# Altium PCB LimeSDR-QPCIe_1v2.PcbDoc (part 7 of 21)
Units mm, origin at the board's own origin, x right, y up, seen from the top; angles counter-clockwise.
Board outline 190 x 111.15 mm, 14 copper layers (Top, L2, L3, L4, L5, L6, L7, L8, L9, L10, L11, L12, L13, Bottom), stack 1.907 mm thick; 2014 components, 1408 nets, 9111 pads, 4171 vias.
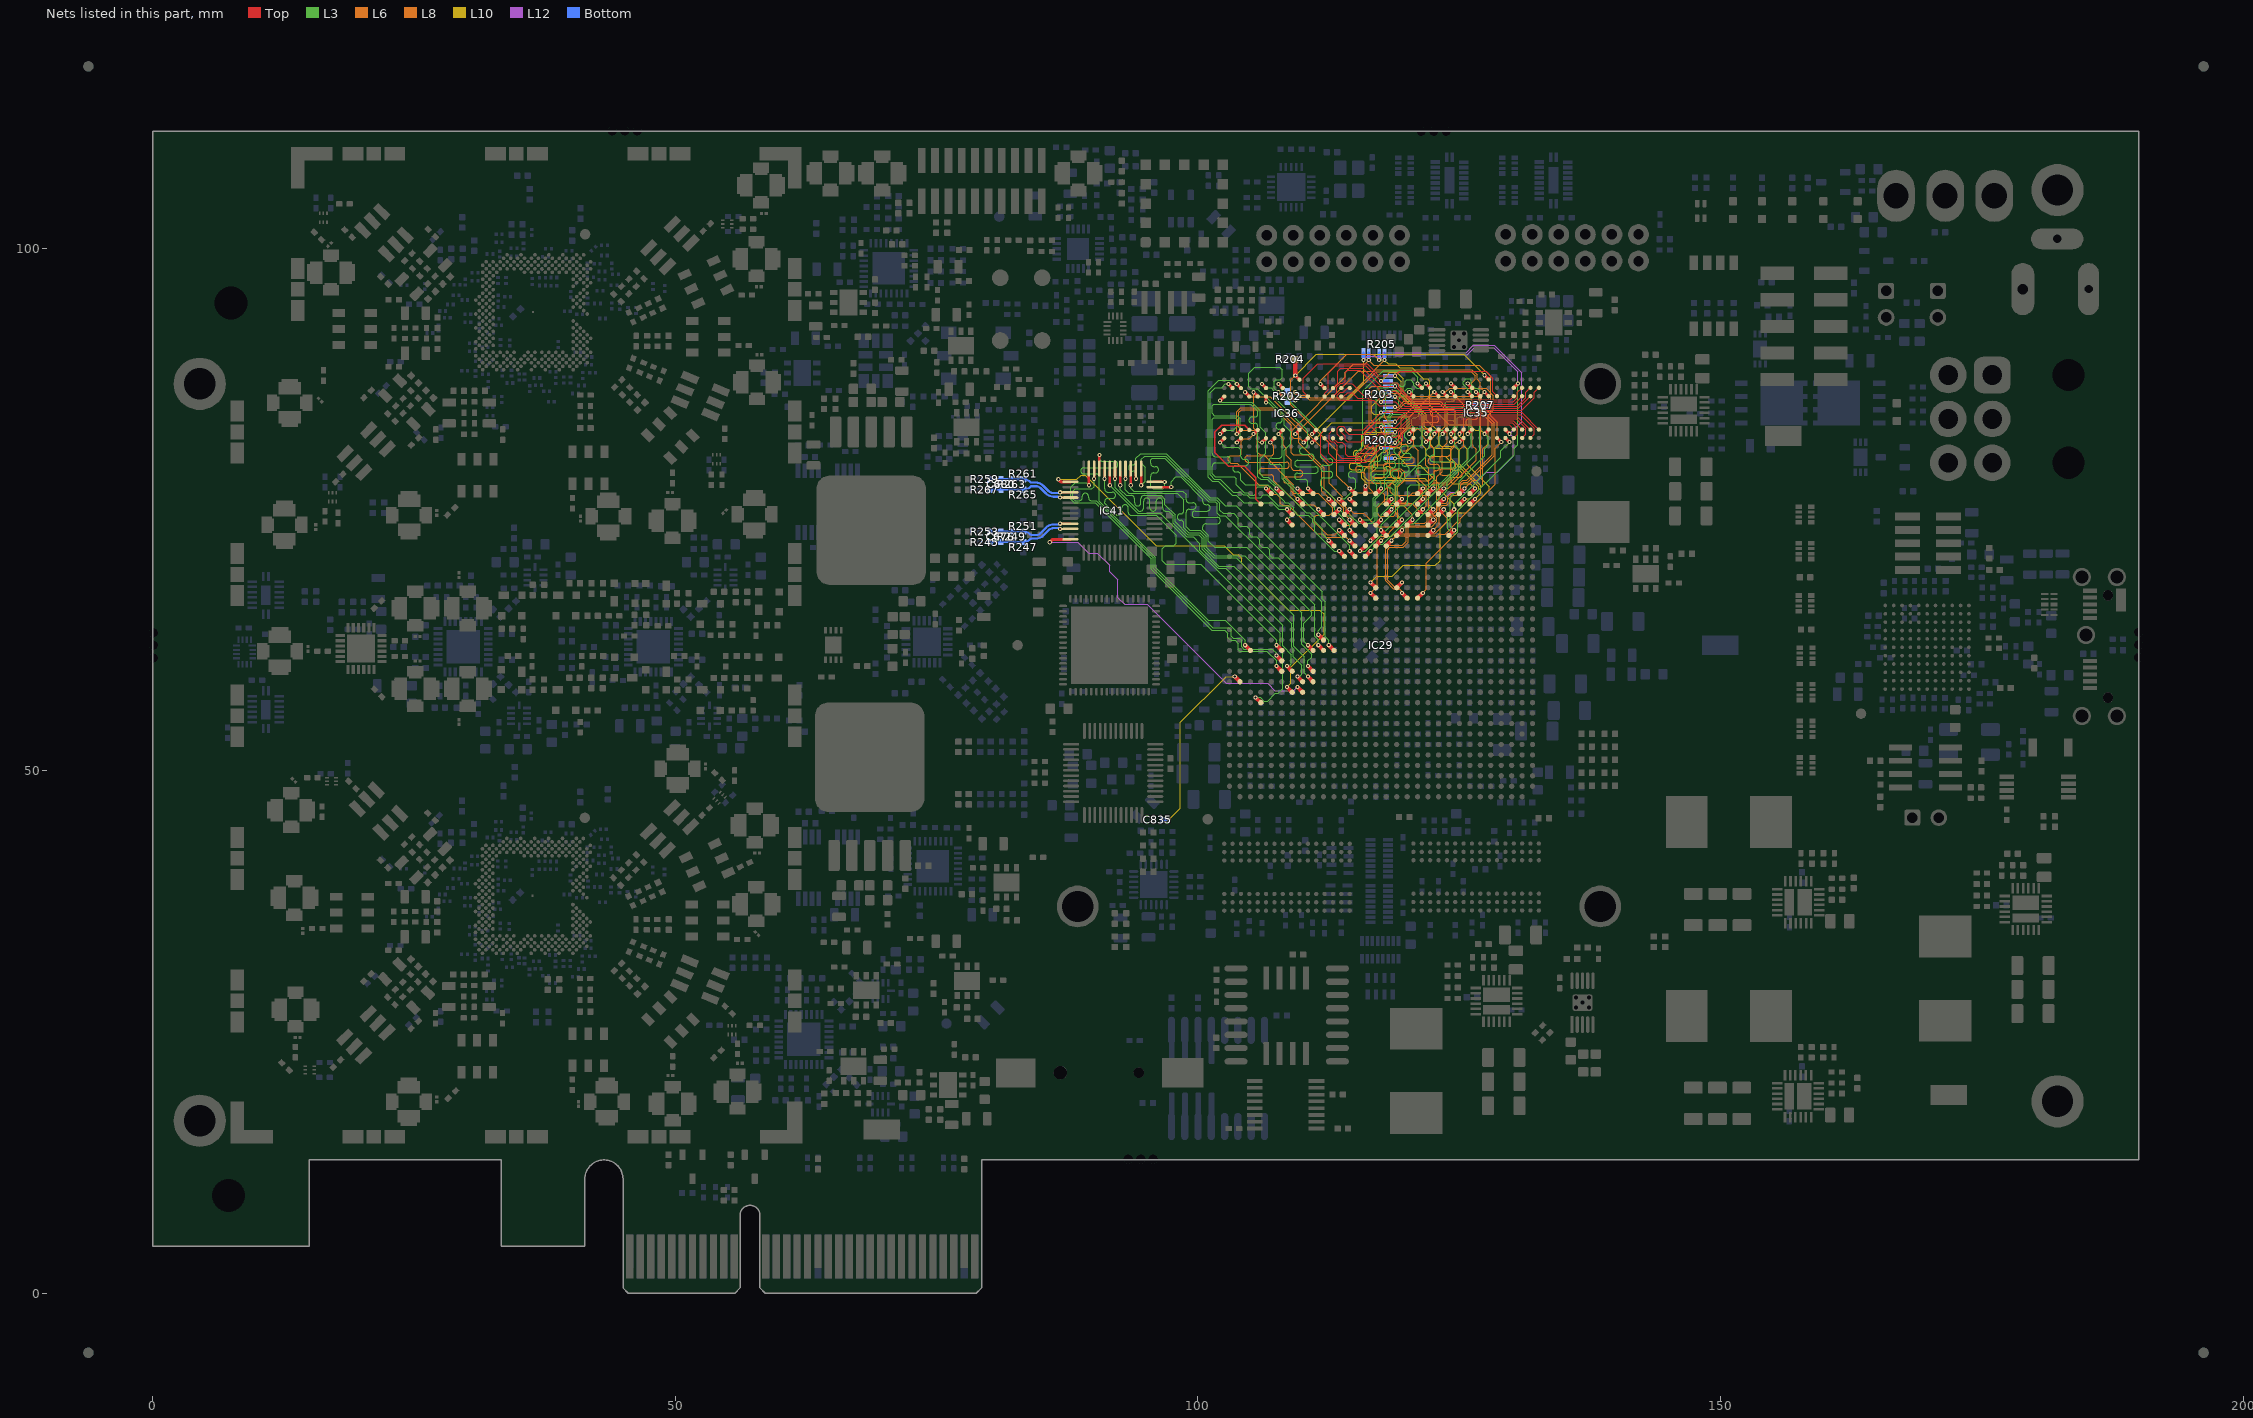
[diagram p19: the nets of this part, all layers, seen from the top]

## Via types
v1: diameter 0.4, hole 0.2, Top to Bottom, tented both sides, 3282 vias
v2: diameter 0.4, hole 0.2, Top to Bottom, tented top, 531 vias
v3: diameter 0.35, hole 0.2, Top to Bottom, tented top, 210 vias
v4: diameter 0.5, hole 0.2, Top to Bottom, tented both sides, 99 vias
v5: diameter 0.5, hole 0.2, Top to Bottom, tented bottom, 49 vias

## Nets (pads, with @x,y where several pads share a name; then routed paths per layer and width w, separated by ;. In a path a pad name is that pad's centre, name@x,y a point inside that pad or via, vN(x,y) a via of type N, cw(c..) or ccw(c..) an arc to the next point about the centre after c; other vN are vias at no path point) (continued)
DAC2_DB1: IC29.N25 IC41.35 | length 32.9
  Top w0.25: v1(89.575,77.3) IC41.35@89.575,78.6
  Top w0.4: v2(107.525,60) IC29.N25@108.025,59.5
  L3 w0.1: v1(89.575,77.3) 89.325,77.55 88.275,77.55 87.85,77.125 87.85,75.95 88.188,75.612 90.18,75.612 95.525,70.267 95.525,69.25 101.325,63.45 102.57,63.45 102.875,63.145 102.875,62.711 103.136,62.45 103.57,62.45 103.875,62.145 103.875,61.575 104.025,61.425 106.595,61.425 107.525,60.495 v2(107.525,60)
DAC2_DB2: IC29.P25 IC41.34 | length 33.4
  Top w0.25: v1(90.075,77.925) IC41.34@90.075,78.9
  Top w0.4: v2(107.525,61) IC29.P25@108.025,60.5
  L3 w0.1: v1(90.075,77.925) 90.075,77.175 89.85,76.95 88.275,76.95 88.05,76.725 88.05,76.033 88.271,75.812 88.625,75.812 ccw(c88.625,76.116) 88.929,76.116 88.929,76.238 cw(c89.233,76.238) 89.233,76.542 cw(c89.233,76.238) 89.537,76.238 89.537,76.116 ccw(c89.841,76.116) 89.841,75.812 90.25,75.812 90.263,75.812 95.725,70.35 95.725,69.35 101.425,63.65 102.95,63.65 103.175,63.425 103.175,62.855 103.38,62.65 103.975,62.65 104.175,62.45 104.175,61.855 104.405,61.625 107.112,61.625 107.525,61.212 v2(107.525,61)
DAC2_DB3: IC29.R28 IC41.33 | length 33.3
  Top w0.25: IC41.33@90.575,78.9 v1(90.575,80.2)
  Top w0.4: v2(104.525,62) IC29.R28@105.025,61.5
  L3 w0.1: v1(90.575,80.2) 90.575,79.9 ccw(c90.879,79.9) 90.879,79.596 92.049,79.596 cw(c92.049,79.292) 92.353,79.292 cw(c92.049,79.292) 92.049,78.988 90.575,78.988 89.101,78.988 ccw(c89.101,78.684) 88.797,78.684 ccw(c89.101,78.684) 89.101,78.38 90.271,78.38 cw(c90.271,78.076) 90.575,78.076 90.575,77.85 90.575,75.783 95.925,70.433 95.925,69.433 100.973,64.385 102.635,64.385 104.525,62.495 v2(104.525,62)
DAC2_DB4: IC29.R25 IC41.32 | length 33.3
  Top w0.25: v1(91.075,77.925) IC41.32@91.075,78.9
  Top w0.4: v2(107.525,62) IC29.R25@108.025,61.5
  L3 w0.1: v1(91.075,77.925) 91.075,76.95 ccw(c91.379,76.95) 91.379,76.646 91.82,76.646 cw(c91.82,76.342) 92.124,76.342 cw(c91.82,76.342) 91.82,76.038 91.379,76.038 ccw(c91.379,75.734) 91.075,75.734 91.075,75.6 92.25,74.425 92.425,74.425 ccw(c92.425,74.729) 92.729,74.729 92.729,75.129 cw(c93.033,75.129) 93.033,75.433 cw(c93.033,75.129) 93.337,75.129 93.337,74.729 ccw(c93.641,74.729) 93.641,74.425 93.945,74.425 94.553,74.425 94.6,74.425 96.025,74.425 97.95,72.5 97.95,71.775 97.7,71.525 96.875,71.525 96.575,71.225 96.575,70.075 96.907,69.743 100.277,69.743 107.525,62.495 v2(107.525,62)
DAC2_DB5: IC29.K27 IC41.31 | length 32.8
  Top w0.25: v1(91.575,77.3) IC41.31@91.575,78.6
  Top w0.4: v2(105.525,57) IC29.K27@106.025,56.5
  L3 w0.1: v1(91.575,77.3) 94.25,74.625 96.395,74.625 107.875,63.145 107.875,61.441 108.125,61.191 108.125,57.822 107.703,57.4 107.42,57.4 106.67,56.65 106.3,56.65 105.95,57 v2(105.525,57)
DAC2_DB6: IC29.N24 IC41.30 | length 33.3
  Top w0.25: v1(92.075,77.925) IC41.30@92.075,78.9
  Top w0.4: v2(108.525,60) IC29.N24@109.025,59.5
  L3 w0.1: v1(92.075,77.925) 92.075,77.083 94.333,74.825 94.5,74.825 ccw(c94.5,75.129) 94.804,75.129 94.804,75.769 cw(c95.108,75.769) 95.108,76.073 cw(c95.108,75.769) 95.412,75.769 95.412,75.129 ccw(c95.716,75.129) 95.716,74.825 ccw(c95.716,75.129) 96.02,75.129 96.02,75.769 cw(c96.324,75.769) 96.324,76.073 cw(c96.324,75.769) 96.628,75.769 96.628,75.129 ccw(c96.932,75.129) 96.932,74.825 97.195,74.825 97.622,74.397 97.622,73.68 98.926,72.376 99.549,72.376 100.2,71.725 100.2,71.103 101.928,69.375 102.645,69.375 108.1,63.92 108.1,61.93 108.95,61.08 108.95,60.2 108.75,60 v2(108.525,60)
DAC2_DB7: IC29.M23 IC41.29 | length 32.7
  Top w0.25: v1(92.575,77.3) IC41.29@92.575,78.6
  Top w0.4: v2(109.525,59) IC29.M23@110.025,58.5
  L3 w0.1: v1(92.575,77.3) 92.575,76.875 93.125,76.325 93.33,76.325 93.634,76.325 cw(c93.634,76.021) 93.938,76.021 93.938,75.629 ccw(c94.242,75.629) 94.242,75.325 ccw(c94.242,75.629) 94.546,75.629 94.546,76.021 cw(c94.85,76.021) 94.85,76.325 96.494,76.325 96.844,75.975 96.844,75.458 97.822,74.48 97.822,73.803 99.049,72.576 100.074,72.576 100.4,72.25 100.4,71.186 102.011,69.575 103.445,69.575 104.195,68.825 108.975,64.045 108.975,61.8 109.15,61.625 109.15,60.87 109.95,60.07 109.95,59.2 109.75,59 v2(109.525,59)
DAC2_DB8: IC29.M22 IC41.28 | length 33.2
  Top w0.25: v1(93.075,77.925) IC41.28@93.075,78.9
  Top w0.4: v2(110.525,59) IC29.M22@111.025,58.5
  L3 w0.1: v1(93.075,77.925) 93.075,76.85 93.4,76.525 98.05,76.525 98.65,75.925 98.65,74.866 cw(c98.346,74.866) 98.346,74.562 98.326,74.562 ccw(c98.326,74.258) 98.022,74.258 ccw(c98.326,74.258) 98.326,73.954 98.346,73.954 cw(c98.346,73.65) 98.65,73.65 98.65,73.258 99.131,72.776 100.156,72.776 100.6,72.333 100.6,71.268 101.518,70.35 103.67,70.35 109.175,64.845 109.175,61.883 110.175,60.883 110.175,59.35 v2(110.525,59)
DAC2_DB9: IC29.N22 IC41.27 | length 34.6
  Top w0.25: v1(93.575,77.3) IC41.27@93.575,78.6
  Top w0.4: v2(110.525,60) IC29.N22@111.025,59.5
  L3 w0.1: v1(93.575,77.3) 93.575,77 93.85,76.725 98.575,76.725 98.875,76.425 98.875,75.925 ccw(c99.179,75.925) 99.179,75.621 99.533,75.621 cw(c99.533,75.317) 99.837,75.317 cw(c99.533,75.317) 99.533,75.013 99.179,75.013 ccw(c99.179,74.709) 98.875,74.709 98.875,73.65 98.875,73.316 99.214,72.976 100.239,72.976 100.8,72.416 100.8,71.351 101.601,70.55 104.47,70.55 ; v2(110.525,60) 110.525,60.505 110.875,60.855 110.875,61.155 109.925,62.105 109.925,65.095 105.57,69.45 ; 104.47,70.55 105.57,69.45 ; 104.47,70.55 105.57,69.45
DAC2_DB10: IC29.R20 IC41.26 | length 33.4
  Top w0.25: v1(94.075,77.925) IC41.26@94.075,78.9
  Top w0.4: v2(112.525,62) IC29.R20@113.025,61.5
  L3 w0.1: v1(94.075,77.925) 94.075,78.15 94.075,78.359 ccw(c93.771,78.359) 93.771,78.663 93.68,78.663 cw(c93.68,78.967) 93.376,78.967 cw(c93.68,78.967) 93.68,79.271 93.771,79.271 ccw(c93.771,79.575) 94.075,79.575 94.075,79.875 94.525,80.325 96.983,80.325 101.199,76.109 101.841,76.109 102.6,75.35 103.67,75.35 111.9,67.12 111.9,66.425 112.175,66.15 112.175,62.825 112.525,62.475 v2(112.525,62)
DAC2_DB11: IC29.T21 IC41.25 | length 33
  Top w0.25: v1(94.575,77.3) IC41.25@94.575,78.6
  Top w0.4: v2(111.525,63) IC29.T21@112.025,62.5
  L3 w0.1: v1(94.575,77.3) 94.95,77.675 94.95,79.025 94.575,79.4 94.575,79.775 94.9,80.1 96.925,80.1 101.116,75.909 101.759,75.909 102.1,75.567 102.1,74.925 102.425,74.6 103.42,74.6 103.875,74.145 103.875,73.525 104.04,73.36 104.66,73.36 104.95,73.07 104.95,72.55 105.115,72.385 105.635,72.385 105.92,72.1 105.92,71.605 106.153,71.372 106.647,71.372 106.875,71.145 106.875,70.6 107.125,70.35 107.67,70.35 107.675,70.345 111.875,66.145 111.875,63.75 111.525,63.4 v2(111.525,63)
DAC2_DB12: IC29.R21 IC41.24 | length 33.4
  Top w0.25: IC41.24@95.85,77.625 v1(96.825,77.625)
  Top w0.4: v2(111.525,62) IC29.R21@112.025,61.5
  L3 w0.1: v1(96.825,77.625) 96.825,77.125 96.65,76.95 95.725,76.95 95.475,77.2 95.475,78 95.475,78.184 cw(c95.779,78.184) 95.779,78.488 95.939,78.488 ccw(c95.939,78.792) 96.243,78.792 ccw(c95.939,78.792) 95.939,79.096 95.779,79.096 cw(c95.779,79.4) 95.475,79.4 95.475,79.75 95.625,79.9 96.842,79.9 101.034,75.709 101.676,75.709 101.875,75.509 101.875,74.626 102.1,74.401 102.114,74.401 ; 102.115,74.4 102.63,74.4 106.38,70.65 111.175,65.855 111.175,62.855 111.525,62.505 v2(111.525,62)
DAC2_DB13: IC29.R22 IC41.23 | length 33
  Top w0.25: IC41.23@96.15,77.125 v1(97.45,77.125)
  Top w0.4: v2(110.525,62) IC29.R22@111.025,61.5
  L3 w0.1: v1(97.45,77.125) 97.45,77.65 97.9,78.1 98.359,78.1 100.475,75.984 100.475,75.75 ccw(c100.779,75.75) 100.779,75.446 100.875,75.446 cw(c100.875,75.142) 101.179,75.142 cw(c100.875,75.142) 100.875,74.838 100.475,74.838 99.745,74.838 ccw(c99.745,74.534) 99.441,74.534 ccw(c99.745,74.534) 99.745,74.23 100.475,74.23 101.862,74.23 cw(c101.862,73.926) 102.166,73.926 cw(c101.862,73.926) 101.862,73.622 100.779,73.622 ccw(c100.779,73.318) 100.475,73.318 100.475,73.25 100.475,73.024 101,72.499 101,71.951 101.601,71.35 104.38,71.35 104.67,71.35 110.875,65.145 110.875,64.845 110.125,64.095 110.125,62.4 v2(110.525,62)
DAC2_IOUTA_N: C676.2 IC41.45 R249.2 R251.1 R253.1 | length 8.1
  Top w0.2: v1(86.825,73.625) IC41.45@87.8,73.625
  Bottom w0.2: R253.1@80.105,72.87 80.505,72.87 C676.2@81.15,72.87 R249.2@82.205,72.87 82.905,72.87 R251.1@83.305,72.87 cw(c83.305,71.904) 83.988,72.587 ccw(c84.102,72.701) 84.102,72.54 84.525,72.54 ccw(c84.525,73.13) 84.942,72.713 85.465,73.235 cw(c86.2,72.5) 86.2,73.54 ; 86.2,73.545 86.632,73.545 cw(c86.825,73.352) v1(86.825,73.625)
DAC2_IOUTA_P: C676.1 IC41.46 R245.1 R247.1 R249.1 | length 8.1
  Top w0.2: v1(86.825,73.125) IC41.46@87.8,73.125
  Bottom w0.2: R245.1@80.105,71.87 C676.1@81.15,71.87 R249.1@82.205,71.87 R247.1@83.305,71.87 ccw(c83.305,72.836) 83.988,72.153 cw(c84.102,72.039) 84.102,72.2 84.525,72.2 ccw(c84.525,73.13) 85.183,72.472 85.705,72.995 cw(c86.2,72.5) 86.2,73.2 ; 86.2,73.205 86.632,73.205 ccw(c86.825,73.398) v1(86.825,73.125)
DAC2_IOUTB_N: C680.2 IC41.40 R263.2 R265.1 R267.1 | length 8.1
  Top w0.2: v1(86.825,76.125) IC41.40@87.8,76.125
  Bottom w0.2: R267.1@80.105,76.88 80.505,76.88 R263.2@82.205,76.88 82.905,76.88 R265.1@83.305,76.88 ccw(c83.305,77.846) 83.988,77.163 cw(c84.102,77.049) 84.102,77.21 84.525,77.21 cw(c84.525,76.62) 84.942,77.037 85.465,76.515 ccw(c86.2,77.25) 86.2,76.21 ; 86.2,76.205 86.632,76.205 ccw(c86.825,76.398) v1(86.825,76.125)
DAC2_IOUTB_P: C680.1 IC41.39 R259.1 R261.1 R263.1 | length 8.1
  Top w0.2: v1(86.825,76.625) IC41.39@87.8,76.625
  Bottom w0.2: R259.1@80.105,77.88 R263.1@82.205,77.88 R261.1@83.305,77.88 cw(c83.305,76.914) 83.988,77.597 ccw(c84.102,77.711) 84.102,77.55 84.525,77.55 cw(c84.525,76.62) 85.183,77.278 85.705,76.755 ccw(c86.2,77.25) 86.2,76.55 ; 86.2,76.545 86.632,76.545 cw(c86.825,76.352) v1(86.825,76.625)
DAC2_MODE: IC29.L23 IC41.48 | length 33.9
  Top w0.3: v1(85.825,71.85) 86.1,72.125 IC41.48@87.8,72.125
  Top w0.4: v2(109.525,58) IC29.L23@110.025,57.5
  L12 w0.1: v1(85.825,71.85) 88.5,71.85 89.55,70.8 90.375,70.8 91.55,69.625 91.55,69.033 92.325,68.258 92.325,66.558 92.983,65.9 95.158,65.9 102.708,58.35 106.67,58.35 107.37,57.65 109.175,57.65 v2(109.525,58)
DAC2_SLEEP: IC29.L24 IC41.37 | length 41.8
  Top w0.309: v1(86.65,77.875) 86.9,77.625 IC41.37@87.8,77.625
  Top w0.4: v2(108.525,58) IC29.L24@109.025,57.5
  L10 w0.1: v1(86.65,77.875) 88.425,77.875 88.825,78.275 89.23,78.275 96.005,71.5 102.52,71.5 103.37,70.65 103.85,70.65 104.175,70.325 104.175,69.845 108.67,65.35 111.67,65.35 112.075,64.945 112.075,63.055 108.9,59.88 108.9,58.375 v2(108.525,58)
DAC_CLK_WRT: C835.2 IC29.M29 | length 18.2
  Top w0.4: v2(103.525,59) IC29.M29@104.025,58.5
  L10 w0.1: v1(97.225,45.3) 98.325,46.4 98.325,54.625 102.7,59 v2(103.525,59)
  Bottom w0.254: C835.2@96.525,45.3 v1(97.225,45.3)
DDR3_BOT_A0: IC29.AJ12 IC35.N3 IC36.N3 R200.6 | length 41.6
  Top w0.1: IC36.N3@112.125,82.6 111.77,82.245 111.77,80.294 112.58,79.484 116.134,79.484 v1(117.525,80.875) 117.675,81.025 119.025,81.025 119.625,81.625 119.625,82.25 120.445,83.07 129.78,83.07 IC35.N3@130.225,82.625
  Top w0.4: IC29.AJ12@121.025,75.5 v2(121.525,76)
  L10 w0.1: v1(117.525,80.875) 117.175,81.225 117.175,82.025 117.025,82.175 116.075,82.175 115.9,82 115.9,81.1 ccw(c116.204,81.1) 116.204,80.796 116.665,80.796 cw(c116.665,80.492) 116.969,80.492 cw(c116.665,80.492) 116.665,80.188 116.204,80.188 ccw(c116.204,79.884) 115.9,79.884 ccw(c116.204,79.884) 116.204,79.58 116.665,79.58 cw(c116.665,79.276) 116.969,79.276 cw(c116.665,79.276) 116.665,78.972 116.204,78.972 ccw(c116.204,78.668) 115.9,78.668 115.9,78.5 115.9,78.125 116.25,77.775 120.825,77.775 121.175,77.425 121.175,76.7 121.525,76.35 v2(121.525,76)
  Bottom w0.254: v1(117.525,80.875) R200.6@118.2,80.875
DDR3_BOT_A1: IC29.AK12 IC35.P7 IC36.P7 R203.4 | length 42.2
  Top w0.1: IC36.P7@112.925,85.8 113.28,86.155 113.28,86.657 113.668,87.045 113.872,87.045 114.1,87.273 114.1,88.075 114.341,88.316 115.484,88.316 v1(117.525,86.275) 118.875,86.275 120.08,85.07 130.27,85.07 IC35.P7@131.025,85.825
  Top w0.4: IC29.AK12@121.025,76.5 v2(121.525,77)
  L8 w0.1: v1(117.525,86.275) 117.375,86.425 116.825,86.425 116.6,86.2 116.6,83.5 116.875,83.225 117.67,83.225 117.875,83.02 117.875,82.383 118.125,82.133 118.125,81.425 118.675,80.875 119.225,80.875 119.425,80.675 119.425,80.45 119.25,80.275 118.55,80.275 118.375,80.1 118.375,79.1 118.575,78.9 119.4,78.9 119.775,78.525 119.775,77.9 119.5,77.625 118.7,77.625 118.425,77.35 118.425,76.7 118.775,76.35 121.275,76.35 121.525,76.6 v2(121.525,77)
  Bottom w0.254: v1(117.525,86.275) R203.4@118.2,86.275
DDR3_BOT_A2: IC29.AH11 IC35.P3 IC36.P3 R200.4 | length 42
  Top w0.1: IC36.P3@112.925,82.6 112.57,82.245 112.57,81.653 112.778,81.445 112.982,81.445 113.325,81.102 113.325,80.339 113.78,79.884 115.534,79.884 v1(117.525,81.875) 119,81.875 119.225,82.1 119.225,82.416 120.279,83.47 130.18,83.47 IC35.P3@131.025,82.625
  Top w0.4: IC29.AH11@122.025,74.5 v2(122.525,75)
  L10 w0.1: v1(117.525,81.875) 117.675,82.025 119.225,82.025 119.525,81.725 119.525,81.125 119.325,80.925 118.4,80.925 117.95,80.475 117.65,80.475 117.2,80.025 117.2,79.085 116.6,78.485 116.6,78.225 116.85,77.975 117.55,77.975 ccw(c117.55,78.279) 117.854,78.279 117.854,78.778 cw(c118.158,78.778) 118.158,79.082 cw(c118.158,78.778) 118.462,78.778 118.462,78.279 ccw(c118.766,78.279) 118.766,77.975 119.225,77.975 121.7,77.975 122.107,77.568 122.107,75.418 v2(122.525,75)
  Bottom w0.254: v1(117.525,81.875) R200.4@118.2,81.875
DDR3_BOT_A3: IC29.AH12 IC35.N2 IC36.N2 R200.5 | length 41.8
  Top w0.1: IC36.N2@112.125,81.8 112.5,81.425 112.5,80.364 113.18,79.684 115.809,79.684 117.5,81.375 v1(118.875,81.375) 119.425,81.925 119.425,82.333 120.362,83.27 130.082,83.27 130.58,82.772 130.58,82.18 IC35.N2@130.225,81.825
  Top w0.4: IC29.AH12@121.025,74.5 v2(121.525,75)
  L8 w0.1: v1(118.875,81.375) 119.475,81.975 119.475,83.65 120.525,84.7 122,84.7 122.475,84.225 122.475,82.975 122.2,82.7 121.005,82.7 120.675,82.37 120.675,81.025 121.075,80.625 121.075,77.945 121.875,77.145 121.875,75.35 v2(121.525,75)
  Bottom w0.254: R200.5@118.2,81.375 v1(118.875,81.375)
DDR3_BOT_A4: IC29.AG13 IC35.P8 IC36.P8 R203.3 | length 42
  Top w0.1: IC36.P8@112.925,86.6 113.37,87.045 113.37,88.195 113.691,88.516 115.784,88.516 117.535,86.765 118.9,86.765 120.395,85.27 130.172,85.27 130.58,85.678 130.58,86.18 IC35.P8@131.025,86.625
  Top w0.4: IC29.AG13@120.025,73.5 v2(120.525,74)
  L8 w0.1: v1(118.875,86.775) 116.65,86.775 116.4,86.525 116.4,83.075 117.1,82.375 117.1,80.025 116.4,79.325 116.4,77.025 116.825,76.6 117.675,76.6 117.9,76.375 117.9,75.575 118.1,75.375 119.645,75.375 120.525,74.495 v2(120.525,74)
  Bottom w0.254: R203.3@118.2,86.775 v1(118.875,86.775) v1@118.9,86.775
DDR3_BOT_A5: IC29.AG14 IC35.P2 IC36.P2 R200.3 | length 41.5
  Top w0.1: IC36.P2@112.925,81.8 113.325,81.4 113.827,81.4 114.15,81.077 114.15,80.275 114.341,80.084 115.209,80.084 117.35,82.225 118.725,82.225 v1(118.875,82.375) 120.17,83.67 130.482,83.67 131.38,82.772 131.38,82.18 IC35.P2@131.025,81.825
  Top w0.4: IC29.AG14@119.025,73.5 v2(119.525,74)
  L10 w0.1: v1(118.875,82.375) 115.992,82.375 115.7,82.083 115.7,81 115.7,80.932 cw(c115.396,80.932) 115.396,80.628 115.17,80.628 ccw(c115.17,80.324) 114.866,80.324 ccw(c115.17,80.324) 115.17,80.02 115.396,80.02 cw(c115.396,79.716) 115.7,79.716 cw(c115.396,79.716) 115.396,79.412 114.766,79.412 ccw(c114.766,79.108) 114.462,79.108 ccw(c114.766,79.108) 114.766,78.804 115.396,78.804 cw(c115.396,78.5) 115.7,78.5 115.7,77.95 116.093,77.557 118.593,77.557 118.925,77.225 118.925,74.6 v2(119.525,74)
  Bottom w0.254: R200.3@118.2,82.375 v1(118.875,82.375) v1@118.9,82.375
DDR3_BOT_A6: IC29.AK10 IC35.R8 IC36.R8 R203.5 | length 41.9
  Top w0.1: IC36.R8@113.725,86.6 114.125,87 114.75,87 115.875,85.875 118.775,85.875 v1(118.875,85.775) 119.78,84.87 130.572,84.87 131.38,85.678 131.38,86.18 IC35.R8@131.825,86.625
  Top w0.4: IC29.AK10@123.025,76.5 v2(123.525,77)
  L8 w0.1: v1(118.875,85.775) 119.642,85.775 119.817,85.6 126,85.6 126.275,85.325 126.275,85.25 126.275,85.132 cw(c125.971,85.132) 125.971,84.828 125.915,84.828 ccw(c125.915,84.524) 125.611,84.524 ccw(c125.915,84.524) 125.915,84.22 126.275,84.22 126.505,84.22 cw(c126.505,83.916) 126.809,83.916 cw(c126.505,83.916) 126.505,83.612 126.275,83.612 125.915,83.612 ccw(c125.915,83.308) 125.611,83.308 ccw(c125.915,83.308) 125.915,83.004 125.971,83.004 cw(c125.971,82.7) 126.275,82.7 126.275,81.1 126.65,80.725 126.65,79.675 123.975,77 v2(123.525,77)
  Bottom w0.254: R203.5@118.2,85.775 v1(118.875,85.775) v1@118.9,85.775
DDR3_BOT_A7: IC29.AK11 IC35.R2 IC36.R2 R200.1 | length 41.9
  Top w0.1: IC36.R2@113.725,81.8 113.325,82.2 113.325,82.75 113.53,82.955 113.895,82.955 114.17,82.68 114.17,82.453 114.448,82.175 115.875,82.175 117.075,83.375 v1(118.875,83.375) 119.57,84.07 130.882,84.07 132.18,82.772 132.18,82.18 IC35.R2@131.825,81.825
  Top w0.4: IC29.AK11@122.025,76.5 v2(122.525,77)
  L8 w0.1: v1(118.875,83.375) 118.28,83.375 117.9,83.755 117.9,84.275 118.05,84.425 119.1,84.425 119.8,85.125 123.092,85.125 123.65,84.567 123.65,82.945 123.075,82.37 123.075,81.275 122.625,80.825 122.625,80.225 cw(c122.321,80.225) 122.321,79.921 ccw(c122.321,79.617) 122.017,79.617 ccw(c122.321,79.617) 122.321,79.313 122.625,79.313 122.829,79.313 cw(c122.829,79.009) 123.133,79.009 cw(c122.829,79.009) 122.829,78.705 122.755,78.705 ccw(c122.755,78.575) 122.625,78.575 122.625,77.1 v2(122.525,77)
  Bottom w0.254: R200.1@118.2,83.375 v1(118.875,83.375) v1@118.9,83.375
DDR3_BOT_A8: IC29.AF11 IC35.T8 IC36.T8 R203.7 | length 41.9
  Top w0.1: IC36.T8@114.525,86.6 114.3,86.6 113.9,86.2 113.623,86.2 113.325,85.902 113.325,85.698 113.6,85.423 116.852,85.423 117.35,84.925 118.725,84.925 v1(118.875,84.775) 119.18,84.47 130.972,84.47 132.18,85.678 132.18,86.18 IC35.T8@132.625,86.625
  Top w0.4: IC29.AF11@122.025,72.5 v2(122.525,73)
  L8 w0.1: v1(118.875,84.775) 119.15,84.775 119.7,85.325 123.175,85.325 123.85,84.65 123.85,81.35 123.375,80.875 123.375,78.6 122.875,78.1 122.875,74.45 123.075,74.25 123.075,73.55 v2(122.525,73)
  Bottom w0.254: R203.7@118.2,84.775 v1(118.875,84.775) v1@118.9,84.775
DDR3_BOT_A9: IC29.AG11 IC35.R3 IC36.R3 R200.2 | length 42.1
  Top w0.1: IC36.R3@113.725,82.6 113.725,82.375 114.1,82 114.1,81.65 114.305,81.445 115.645,81.445 117.075,82.875 v1(117.525,82.875) 118.875,82.875 119.87,83.87 130.58,83.87 IC35.R3@131.825,82.625
  Top w0.4: IC29.AG11@122.025,73.5 v2(122.525,74)
  L8 w0.1: v1(117.525,82.875) 117.525,82.45 117.925,82.05 117.925,80.675 118.15,80.45 118.15,80.175 118.15,79.875 118.15,79.575 cw(c117.85,79.575) 117.85,79.275 116.9,79.275 ccw(c116.9,78.975) 116.6,78.975 ccw(c116.9,78.975) 116.9,78.675 118.15,78.675 119.218,78.675 cw(c119.218,78.375) 119.518,78.375 cw(c119.218,78.375) 119.218,78.075 118.15,78.075 116.9,78.075 ccw(c116.9,77.775) 116.6,77.775 ccw(c116.9,77.775) 116.9,77.475 117.85,77.475 cw(c117.85,77.175) 118.15,77.175 118.15,77.05 118.15,75.88 118.455,75.575 120.445,75.575 121.395,74.625 121.9,74.625 v2(122.525,74)
  Bottom w0.254: v1(117.525,82.875) R200.2@118.2,82.875
DDR3_BOT_A10: IC29.AJ8 IC35.L7 IC36.L7 R203.1 | length 41.6
  Top w0.1: IC36.L7@110.525,85.8 110.1,86.225 110.1,87.55 111.466,88.916 116.184,88.916 117.325,87.775 v1(118.875,87.775) 119.3,88.2 127.575,88.2 128.225,87.55 128.225,86.225 IC35.L7@128.625,85.825
  Top w0.4: IC29.AJ8@125.025,75.5 v2(125.525,76)
  L10 w0.1: v1(118.875,87.775) 119.45,87.2 119.45,86.175 121.675,83.95 121.675,82.95 122.275,82.35 122.275,81.154 122.579,80.85 124.05,80.85 124.225,80.675 124.225,79.825 126.875,77.175 126.875,76.855 126.02,76 v2(125.525,76)
  Bottom w0.254: R203.1@118.2,87.775 v1(118.875,87.775)
DDR3_BOT_A11: IC29.AK8 IC35.R7 IC36.R7 R203.6 | length 41.8
  Top w0.1: IC36.R7@113.725,85.8 113.975,85.8 114.33,86.155 114.775,86.155 115.305,85.625 117.175,85.625 v1(117.525,85.275) 118.875,85.275 119.48,84.67 130.67,84.67 IC35.R7@131.825,85.825
  Top w0.4: IC29.AK8@125.025,76.5 v2(125.525,77)
  L8 w0.1: v1(117.525,85.275) 118.375,86.125 119.575,86.125 119.9,85.8 126.8,85.8 127.075,85.525 127.075,85.3 ccw(c127.379,85.3) 127.379,84.996 127.755,84.996 cw(c127.755,84.692) 128.059,84.692 cw(c127.755,84.692) 127.755,84.388 127.379,84.388 ccw(c127.379,84.084) 127.075,84.084 127.075,82.55 127.075,78.1 126.75,77.775 126.3,77.775 v2(125.525,77)
  Bottom w0.254: v1(117.525,85.275) R203.6@118.2,85.275
DDR3_BOT_A12: IC29.AJ7 IC35.N7 IC36.N7 R203.2 | length 41.7
  Top w0.1: IC36.N7@112.125,85.8 112.125,86.098 112.48,86.453 112.48,88.016 113.18,88.716 116.084,88.716 v1(117.525,87.275) 117.675,87.125 119.025,87.125 119.225,86.925 119.225,86.723 120.478,85.47 129.87,85.47 IC35.N7@130.225,85.825